# KiCad board design.kicad_pcb (continued)
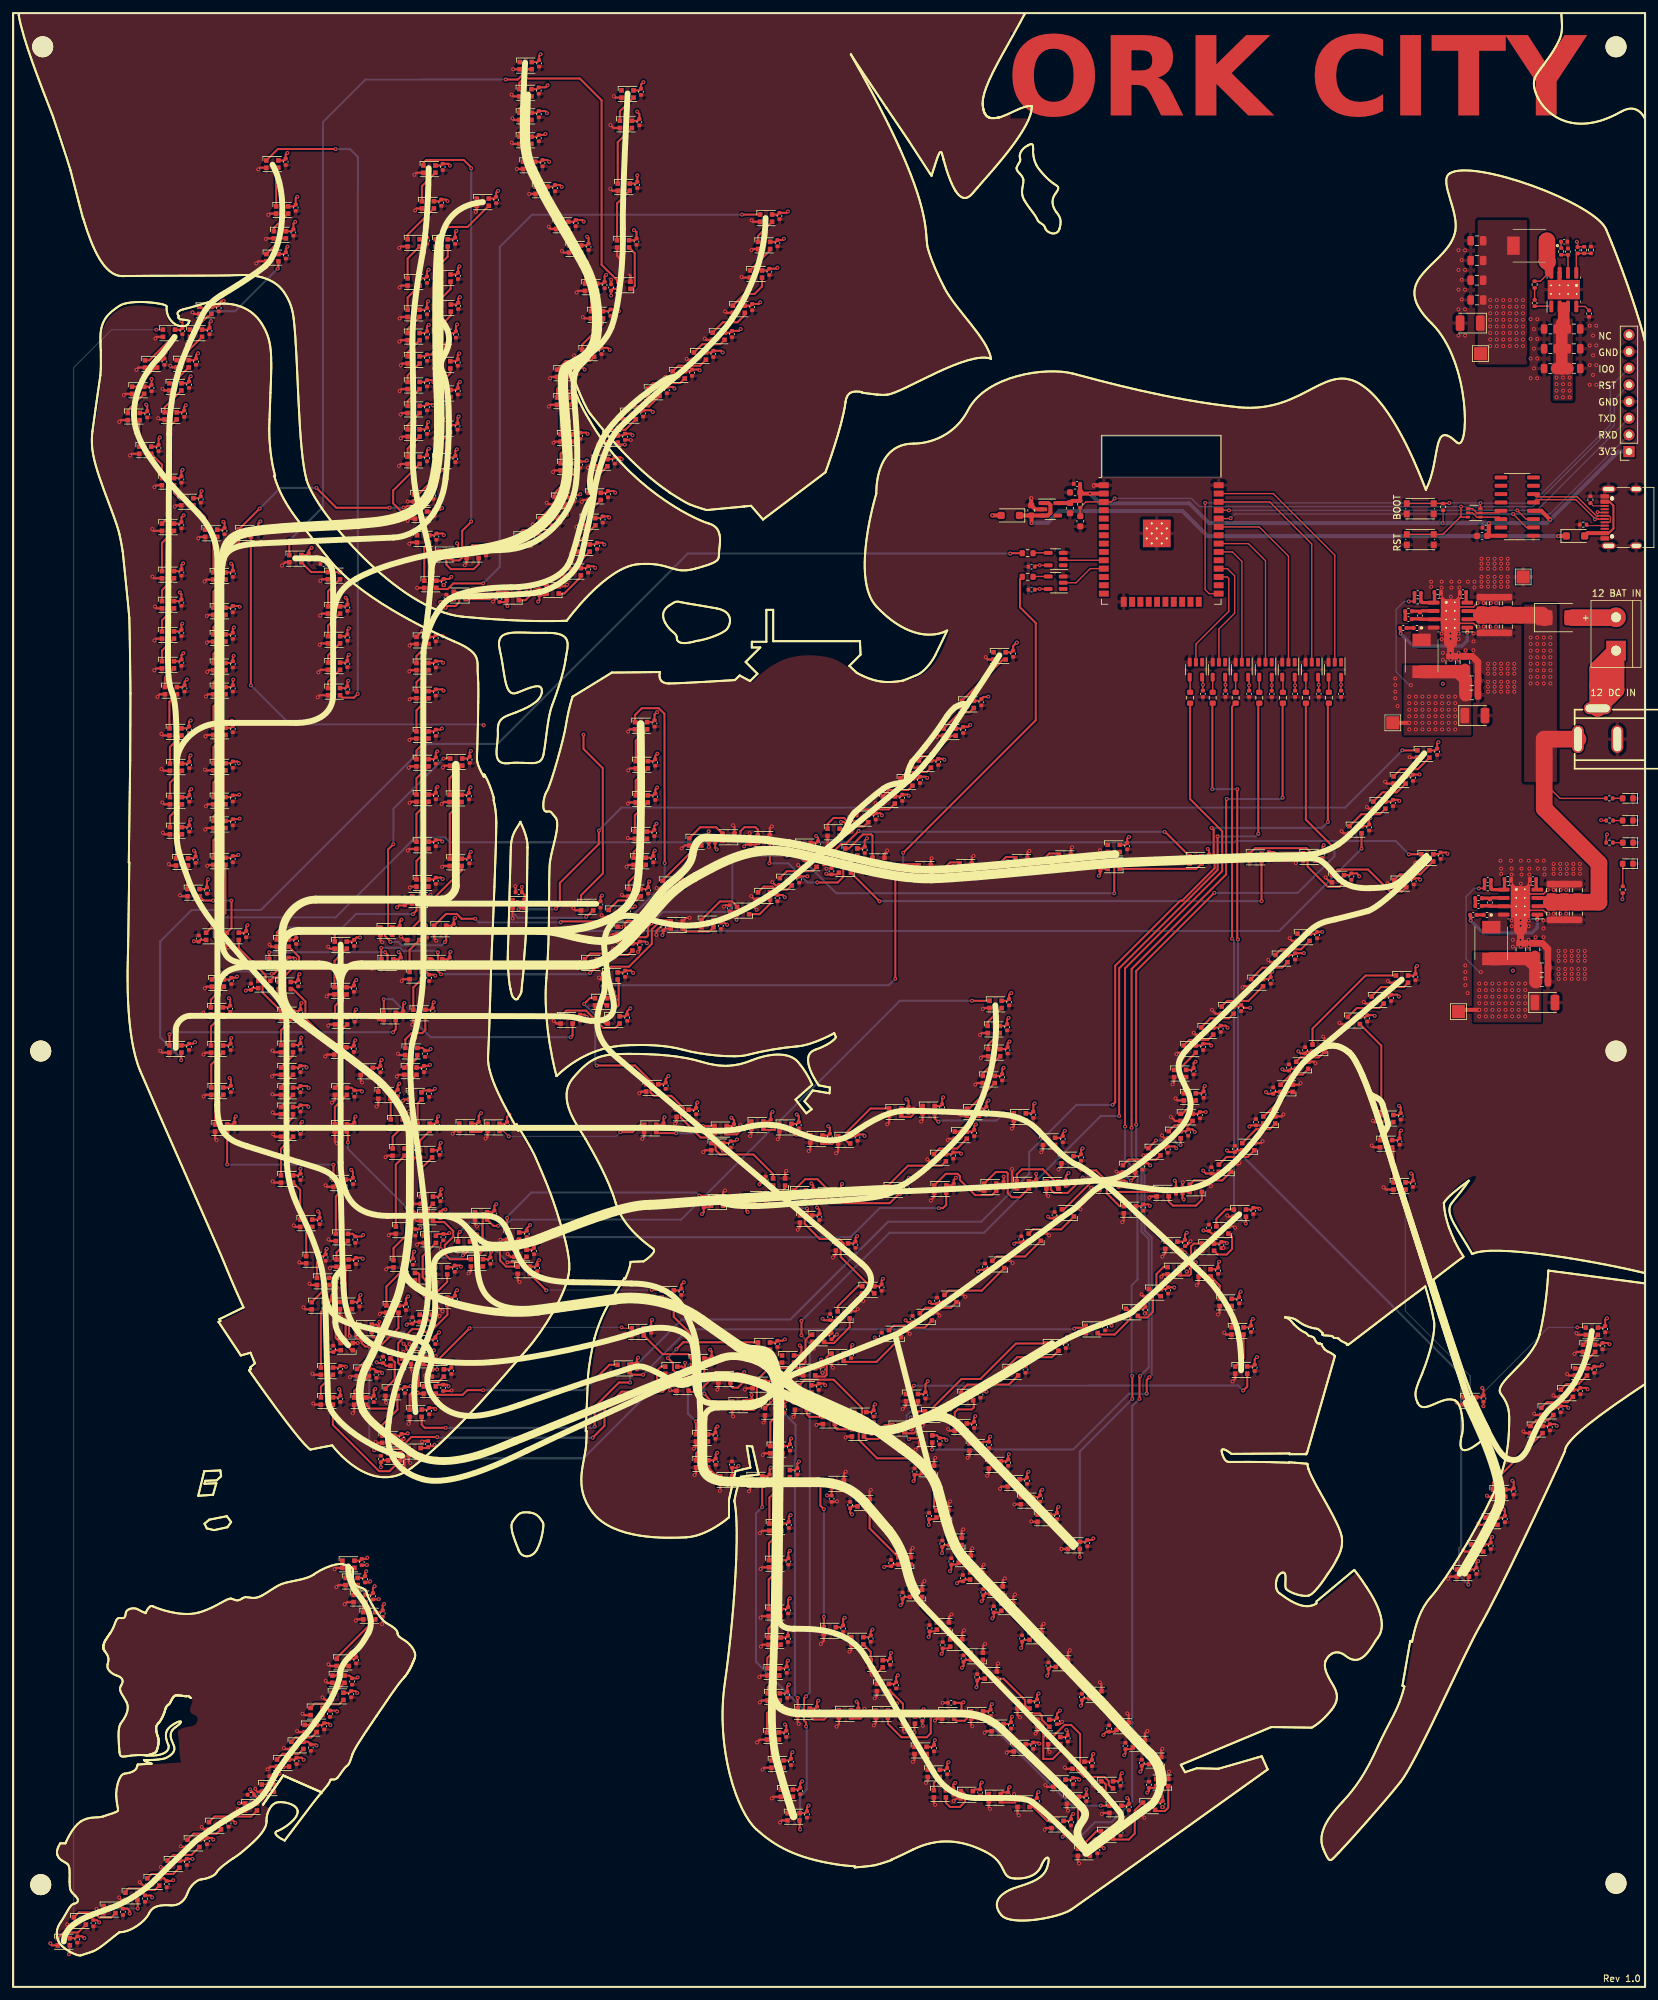
[diagram p0: board, top side]
## Nets (continued)
Net-(D327-DIN): D327.3 D328.1
Net-(D328-DIN): D328.3 D329.1
Net-(D329-DIN): D329.3 D330.1
Net-(D330-DIN): D330.3 D331.1
Net-(D331-DIN): D331.3 D332.1
Net-(D332-DIN): D332.3 D333.1
Net-(D333-DIN): D333.3 D334.1
Net-(D334-DIN): D334.3 D335.1
Net-(D335-DIN): D335.3 D336.1
Net-(D336-DIN): D336.3 D337.1
Net-(D337-DIN): D337.3 D338.1
Net-(D338-DIN): D338.3 D339.1
Net-(D339-DIN): D339.3 D340.1
Net-(D340-DIN): D340.3 D341.1
Net-(D341-DIN): D341.3 D342.1
Net-(D342-DIN): D342.3 D343.1
Net-(D344-DIN): D344.3 R26.2
Net-(D344-DOUT): D344.1 D345.3
Net-(D345-DOUT): D345.1 D346.3
Net-(D346-DOUT): D346.1 D347.3
Net-(D347-DOUT): D347.1 D348.3
Net-(D348-DOUT): D348.1 D349.3
Net-(D349-DOUT): D349.1 D350.3
Net-(D350-DOUT): D350.1 D351.3
Net-(D351-DOUT): D351.1 D352.3
Net-(D352-DOUT): D352.1 D353.3
Net-(D353-DOUT): D353.1 D354.3
Net-(D354-DOUT): D354.1 D355.3
Net-(D355-DOUT): D355.1 D356.3
Net-(D356-DOUT): D356.1 D357.3
Net-(D357-DOUT): D357.1 D358.3
Net-(D358-DOUT): D358.1 D359.3
Net-(D359-DOUT): D359.1 D360.3
Net-(D360-DOUT): D360.1 D361.3
Net-(D361-DOUT): D361.1 D362.3
Net-(D362-DOUT): D362.1 D363.3
Net-(D363-DOUT): D363.1 D364.3
Net-(D364-DOUT): D364.1 D365.3
Net-(D365-DOUT): D365.1 D366.3
Net-(D366-DOUT): D366.1 D367.3
Net-(D367-DOUT): D367.1 D368.3
Net-(D368-DOUT): D368.1 D369.3
Net-(D369-DOUT): D369.1 D370.3
Net-(D370-DOUT): D370.1 D371.3
Net-(D371-DOUT): D371.1 D372.3
Net-(D372-DOUT): D372.1 D373.3
Net-(D373-DOUT): D373.1 D374.3
Net-(D374-DOUT): D374.1 D375.3
Net-(D375-DOUT): D375.1 D376.3
Net-(D376-DOUT): D376.1 D377.3
Net-(D377-DOUT): D377.1 D378.3
Net-(D378-DOUT): D378.1 D379.3
Net-(D379-DOUT): D379.1 D380.3
Net-(D380-DOUT): D380.1 D381.3
Net-(D381-DOUT): D381.1 D382.3
Net-(D382-DOUT): D382.1 D383.3
Net-(D383-DOUT): D383.1 D384.3
Net-(D384-DOUT): D384.1 D385.3
Net-(D385-DOUT): D385.1 D386.3
Net-(D386-DOUT): D386.1 D387.3
Net-(D387-DOUT): D387.1 D388.3
Net-(D388-DOUT): D388.1 D389.3
Net-(D389-DOUT): D389.1 D390.3
Net-(D390-DOUT): D390.1 D391.3
Net-(D391-DOUT): D391.1 D392.3
Net-(D392-DOUT): D392.1 D393.3
Net-(D393-DOUT): D393.1 D394.3
Net-(D394-DOUT): D394.1 D395.3
Net-(D395-DOUT): D395.1 D396.3
Net-(D396-DOUT): D396.1 D413.3
Net-(D397-DIN): D397.3 D398.1
Net-(D398-DIN): D398.3 D399.1
Net-(D399-DIN): D399.3 D400.1
Net-(D400-DIN): D400.3 D401.1
Net-(D401-DIN): D401.3 D402.1
Net-(D402-DIN): D402.3 D403.1
Net-(D403-DIN): D403.3 D404.1
Net-(D404-DIN): D404.3 D405.1
Net-(D405-DIN): D405.3 D406.1
Net-(D406-DIN): D406.3 D407.1
Net-(D407-DIN): D407.3 D408.1
Net-(D408-DIN): D408.3 D409.1
Net-(D409-DIN): D409.3 D410.1
Net-(D410-DIN): D410.3 D411.1
Net-(D411-DIN): D411.3 D412.1
Net-(D412-DIN): D412.3 D413.1
Net-(D414-DIN): D414.3 R27.2
Net-(D414-DOUT): D414.1 D415.3
Net-(D415-DOUT): D415.1 D416.3
Net-(D416-DOUT): D416.1 D417.3
Net-(D417-DOUT): D417.1 D418.3
Net-(D418-DOUT): D418.1 D419.3
Net-(D419-DOUT): D419.1 D420.3
Net-(D420-DOUT): D420.1 D421.3
Net-(D421-DOUT): D421.1 D422.3
Net-(D422-DOUT): D422.1 D423.3
Net-(D423-DOUT): D423.1 D424.3
Net-(D424-DOUT): D424.1 D425.3
Net-(D425-DOUT): D425.1 D426.3
Net-(D426-DOUT): D426.1 D427.3
Net-(D427-DOUT): D427.1 D428.3
Net-(D428-DOUT): D428.1 D429.3
Net-(D429-DOUT): D429.1 D430.3
Net-(D430-DOUT): D430.1 D431.3
Net-(D431-DOUT): D431.1 D432.3
Net-(D433-DIN): D433.3 R28.2
Net-(D433-DOUT): D433.1 D434.3
Net-(D434-DOUT): D434.1 D435.3
Net-(D435-DOUT): D435.1 D436.3
Net-(D436-DOUT): D436.1 D437.3
Net-(D437-DOUT): D437.1 D438.3
Net-(D438-DOUT): D438.1 D439.3
Net-(D439-DOUT): D439.1 D440.3
Net-(D440-DOUT): D440.1 D441.3
Net-(D441-DOUT): D441.1 D442.3
Net-(D442-DOUT): D442.1 D443.3
Net-(D444-DIN): D444.3 R29.2
Net-(D444-DOUT): D444.1 D445.3
Net-(D445-DOUT): D445.1 D446.3
Net-(D446-DOUT): D446.1 D447.3
Net-(D447-DOUT): D447.1 D448.3
Net-(D448-DOUT): D448.1 D449.3
Net-(D449-DOUT): D449.1 D450.3
Net-(D450-DOUT): D450.1 D451.3
Net-(D451-DOUT): D451.1 D452.3
Net-(D452-DOUT): D452.1 D453.3
Net-(D453-DOUT): D453.1 D454.3
Net-(D454-DOUT): D454.1 D455.3
Net-(D455-DOUT): D455.1 D456.3
Net-(D456-DOUT): D456.1 D457.3
Net-(D457-DOUT): D457.1 D458.3
Net-(D458-DOUT): D458.1 D459.3
Net-(D459-DOUT): D459.1 D460.3
Net-(D460-DOUT): D460.1 D461.3
Net-(D461-DOUT): D461.1 D462.3
Net-(D462-DOUT): D462.1 D463.3
Net-(D463-DOUT): D463.1 D464.3
Net-(D465-DIN): D465.3 R30.2
Net-(D465-DOUT): D465.1 D466.3
Net-(D466-DOUT): D466.1 D467.3
Net-(D467-DOUT): D467.1 D468.3
Net-(D468-DOUT): D468.1 D469.3
Net-(D469-DOUT): D469.1 D470.3
Net-(D470-DOUT): D470.1 D471.3
Net-(D471-DOUT): D471.1 D472.3
Net-(D472-DOUT): D472.1 D473.3
Net-(D473-DOUT): D473.1 D474.3
Net-(D474-DOUT): D474.1 D475.3
Net-(D475-DOUT): D475.1 D476.3
Net-(D476-DOUT): D476.1 D477.3
Net-(D477-DOUT): D477.1 D478.3
Net-(D478-DOUT): D478.1 D479.3
Net-(D479-DOUT): D479.1 D480.3
Net-(D480-DOUT): D480.1 D481.3
Net-(D481-DOUT): D481.1 D482.3
Net-(D482-DOUT): D482.1 D483.3
Net-(D483-DOUT): D483.1 D484.3
Net-(D484-DOUT): D484.1 D485.3
Net-(D485-DOUT): D485.1 D486.3
Net-(J2-CC1): J2.A5 R1.1
Net-(J2-CC2): J2.B5 R2.1
Net-(J3-Pin_1): J3.1 J4.3
Net-(Q1A-B1): Q1.2 Q1.4 U1.13
Net-(Q1A-E1): Q1.1 Q1.5 U1.14
Net-(U4-BST): C13.2 U4.1
Net-(U4-COMP): C22.1 R10.1 U4.6
Net-(U4-FB): C14.2 R8.2 R11.1 U4.5
Net-(U4-SS): C21.1 U4.4
Net-(U5-BST): C29.2 U5.1
Net-(U5-COMP): C38.1 R15.1 U5.6
Net-(U5-FB): C30.2 R13.2 R16.1 U5.5
Net-(U5-SS): C37.1 U5.4
Net-(U6-BST): C45.2 U6.1
Net-(U6-COMP): C54.1 R20.1 U6.6
Net-(U6-FB): C46.2 R18.2 R21.1 U6.5
Net-(U6-SS): C53.1 U6.4
Net-(U7-Y): R22.1 U7.4
Net-(U8-Y): R23.1 U8.4
Net-(U9-Y): R24.1 U9.4
Net-(U10-Y): R25.1 U10.4
Net-(U11-Y): R26.1 U11.4
Net-(U12-Y): R27.1 U12.4
Net-(U13-Y): R28.1 U13.4
Net-(U14-Y): R29.1 U14.4
Net-(U15-Y): R30.1 U15.4

Pads without a net: D68 1; D168 1; D262 1; D323 1; D397 1; D432 1; D443 1; D464 1; D486 1; J1 8; J2 A8 B8; U1 7 8 9 10 11 12 15; U2 4 5 17 18 19 20 21 22 23 24 32; U3 4; U7 1; U8 1; U9 1; U10 1; U11 1; U12 1; U13 1; U14 1; U15 1

## Via types
v1: diameter 0.6, hole 0.3, Top to Bottom, 1673 vias

## Routing (per net, layer and track width the routed paths; a pad name or vN(x,y) marks a point on that pad's centre or on a via; arc(x,y) is an arc through that point)
+3.3V: length 170.2
  Top w0.152: v1(217.8,223) 217.85,223.05 R3.1
  Top w0.203: R5.2 242.7,175.43 v1(242.83,175.56)
  Top w0.61: C4.1 162.57,226.39 R4.1 161.34,226.38 C7.1 159.16,226.06 U3.5 ; C4.1 162.55,227.7 C3.1 ; C4.1 162.75,227.5 v1(164.05,227.5) U2.2 ; v1(224.84,223) 224.82,222.97 224.82,221.3 C1.1 224.59,221.07 U1.16 ; U1.4 232.8,224.88 v1(234.17,223.51)
  In2.Cu w0.203: v1(242.83,175.56) 242.83,181.85 247.25,186.27 247.25,215.02 245.35,216.92 245.35,233.07 J1.1
  Bottom w0.61: J1.1 244.56,233.9 v1(234.17,223.51) 233.66,223 v1(224.84,223) v1(217.8,223) 182.21,223 179.2,226 165.55,226 v1(164.05,227.5)
+5V: length 1258.8
  Top w0.152: v1(40.6,32.47) 40.2,32.07 C228.1 39.72,31.81 D179.4
  Top w0.203: R13.1 223.31,167.36 v1(223.3,167.35) ; R9.1 241.99,177.69 v1(241.93,177.75) ; R14.1 245.22,165.75 v1(245.17,165.7) ; v1(238.23,265.87) 238.35,265.75 C46.1 238.41,265.11 R18.1 ; C395.1 195.3,199.49 U11.5 ; U7.5 181.26,199.43 C115.1 ; C312.1 188.3,199.39 U9.5 ; U8.5 184.7,199.49 C154.1 ; C485.1 155.85,216.57 U12.5 ; C373.1 U10.5 ; U13.5 155.75,212.97 C497.1 ; C519.1 198.9,199.44 U14.5 ; v1(212.63,211.07) 212.64,211.08 R8.1 ; C542.1 U15.5
  Top w0.305: D460.4 115.15,131.84 C514.1 115.42,133.06 115.67,133.31 v1(115.69,133.31) 115.69,133.33 115.62,133.26 ; D11.4 156.2,74.62 C58.1 156.47,75.55 156.66,75.74 v1(156.79,75.74) ; 122.76,89.4 122.85,89.49 v1(122.85,89.46) 122.82,89.46 122.65,89.29 C70.1 121.79,89.02 D23.4 ; 48.28,39.97 48.37,39.88 v1(48.33,39.88) 48.33,39.92 48.07,40.18 C225.1 47.12,39.91 D176.4 ; v1(117.57,166) 117.22,166.35 C474.1 115.72,166.35 D422.4 ; 211.1,180.76 211.2,180.66 v1(211.2,180.67) 211.19,180.67 211.01,180.85 C464.1 209.95,180.58 D412.4 ; 104.19,134.73 v1(104.25,134.73) 104.25,134.79 104.19,134.73 ; 104.19,134.73 104.05,134.59 C488.1 103.78,133.64 D435.4 ; D343.4 58.63,161.39 C394.1 58.9,162.33 59.16,162.59 v1(59.17,162.59) 59.17,162.6 59.07,162.5 ; 156.25,37.16 156.36,37.05 v1(156.34,37.05) 156.34,37.07 156.17,37.24 C347.1 155.13,36.97 D297.4 ; v1(223.2,64.87) 222.93,64.6 C155.1 222.66,63.61 D106.4 ; 121.16,27.6 121.2,27.64 v1(121.2,27.62) 121.18,27.62 120.94,27.38 C313.1 120.67,26.47 D263.4 ; D122.4 213.38,154.08 C171.1 213.65,155.34 213.85,155.54 v1(213.88,155.54) 213.88,155.57 213.8,155.49 ; D272.4 117.91,70.59 C322.1 118.18,71.63 118.43,71.88 v1(118.46,71.88) 118.46,71.91 118.34,71.79 ; D295.4 163.24,28.98 C345.1 v1(163.51,30.09) ; 52.16,51.15 52.07,51.24 v1(52.07,51.21) 52.1,51.21 52.27,51.04 C221.1 52,49.98 D172.4 ; v1(125.35,100.84) 124.69,100.11 C495.1 124.41,99.36 D442.4 ; 144.61,48.7 144.53,48.62 v1(144.56,48.62) 144.56,48.65 144.8,48.89 C414.1 145.07,49.81 D362.4 ; 64.24,88.11 64.33,88.02 v1(64.32,88.02) 64.32,88.03 64.14,88.21 C520.1 63.1,87.94 D465.4 ; 43.85,149.86 43.93,149.94 v1(43.93,149.88) 43.87,149.88 43.77,149.78 C281.1 43.5,148.66 D232.4 ; 67.25,162.82 67.34,162.91 v1(67.34,162.86) 67.29,162.86 67.12,162.7 C393.1 66.85,161.67 D342.4 ; D120.4 206.03,147.77 C169.1 207.29,148.04 207.39,147.94 v1(207.45,147.94) 207.45,147.88 207.38,147.95 ; 43.58,154.22 43.65,154.29 v1(43.63,154.29) 43.63,154.27 43.44,154.08 C367.1 43.16,153.11 D317.4 ; D415.4 59.14,148.4 C467.1 59.41,149.68 59.6,149.86 v1(59.6,149.9) 59.64,149.9 59.53,149.79 ; D279.4 140.4,71.25 C329.1 ; 84.32,224.18 84.38,224.24 v1(84.37,224.24) 84.37,224.23 84.12,223.98 C136.1 82.95,223.71 D88.4 ; 63.46,142.72 63.61,142.87 v1(63.6,142.87) 63.6,142.86 63.39,142.65 C85.1 62.33,143.06 D38.4 ; 139.76,104.22 139.64,104.34 v1(139.64,104.33) 139.65,104.33 139.93,104.05 C184.1 141.03,104.32 D135.4 ; D443.4 119.84,96.2 C496.1 ; D185.4 19.68,14.34 C234.1 20.96,13.93 21.19,13.7 v1(21.19,13.63) 21.26,13.63 21.14,13.75 ; 134.57,43.12 134.65,43.2 v1(134.65,43.19) 134.64,43.19 134.4,42.95 C351.1 134.13,42.1 D301.4 ; D408.4 89.21,165.11 C460.1 89.48,166.09 89.65,166.26 v1(89.73,166.26) 89.73,166.34 89.66,166.27 ; 32.96,150.56 32.88,150.64 v1(32.88,150.63) 32.89,150.63 33.07,150.45 C201.1 32.8,149.23 D152.4 ; D454.4 155.16,133.08 C508.1 155.43,134.46 155.57,134.6 ; D423.4 119.49,168.92 C475.1 v1(121.02,169.19) ; 35.62,161.68 35.71,161.77 v1(35.71,161.75) 35.69,161.75 35.51,161.57 C283.1 35.24,160.6 D234.4 ; D302.4 128.5,42.15 C352.1 128.77,43.25 128.56,43.46 v1(128.49,43.46) 128.49,43.53 128.6,43.42 ; D264.4 119.64,30.06 C314.1 119.91,31.01 v1(120.21,31.31) ; 142.8,63.41 142.73,63.34 v1(142.73,63.35) 142.74,63.35 142.94,63.55 C331.1 143.79,64.34 D281.4 ; D419.4 99.33,161.22 C471.1 99.05,160.46 98.92,160.32 v1(98.92,160.24) 98.84,160.24 98.95,160.35 ; D25.4 110.12,93.14 C72.1 111.16,93.41 111.39,93.64 v1(111.39,93.66) 111.41,93.66 111.31,93.56 ; v1(140.43,37.59) 140.3,37.46 C402.1 140.03,36.57 D350.4 ; 52.89,105.4 52.92,105.43 v1(52.92,105.42) 52.91,105.42 52.75,105.26 C193.1 52.48,104.35 D144.4 ; 54.96,60.87 v1(55.08,61.04) 54.82,60.73 C219.1 54.55,59.72 D170.4 ; 141.82,187.03 141.9,186.95 v1(141.88,186.95) 141.88,186.97 141.74,187.11 C481.1 140.68,186.84 D429.4 ; 239.83,91.11 239.89,91.05 v1(239.87,91.05) 239.87,91.07 239.68,91.26 C161.1 238.49,90.99 D112.4 ; v1(98.15,187.88) 98.15,187.87 97.82,187.54 C387.1 97.55,186.74 D336.4 ; D58.4 92.95,236.37 C105.1 94.12,236.64 v1(94.37,236.39) ; D371.4 109.57,79.03 C423.1 110.22,79.09 v1(110.5,79.37) ; 65.27,174.57 65.39,174.45 v1(65.39,174.5) 65.34,174.5 65.1,174.74 C90.1 64.12,174.47 D43.4 ; D389.4 73.05,118.01 C441.1 73.32,119.01 73.55,119.24 v1(73.61,119.24) 73.61,119.3 73.52,119.21 ; D353.4 133.35,49.77 C405.1 133.62,50.74 133.75,50.86 v1(133.75,50.87) 133.76,50.87 133.69,50.8 ; D46.4 64.12,191.28 C93.1 65.11,191.55 65.29,191.73 v1(65.33,191.73) 65.33,191.77 65.19,191.63 ; D462.4 98.83,131.34 C516.1 99.09,132.39 99.21,132.5 v1(99.25,132.5) 99.25,132.54 99.19,132.48 ; D70.4 94.82,274.74 C118.1 v1(95.09,275.99) ; 10.76,7.5 10.85,7.41 v1(10.85,7.43) 10.83,7.43 10.56,7.7 C237.1 9.51,7.43 D188.4 ; D431.4 147.24,195.93 C483.1 147.83,196.52 148.37,196.52 v1(148.58,196.57) 148.47,196.52 148.42,196.52 ; 64.15,154.15 v1(64.32,154.05) 64.09,154.21 C87.1 62.96,154.62 D40.4 ; 228.45,77.05 228.38,77.12 v1(228.41,77.12) 228.41,77.09 228.61,76.89 228.61,75.97 ; D339.4 97.26,172.03 C390.1 97.53,172.83 97.75,173.05 v1(97.75,173.11) 97.81,173.11 97.71,173.01 ; D113.4 240.63,94.24 C162.1 241.81,94.51 v1(242.09,94.79) ; 243.11,97.94 243.22,97.83 v1(243.22,97.91) 243.14,97.91 242.95,98.1 C163.1 241.87,97.83 D114.4 ; D484.4 191.32,153.54 C539.1 191.59,154.44 191.83,154.68 v1(191.85,154.68) 191.85,154.7 191.75,154.6 ; 227.32,75.77 228.41,75.77 C158.1 ; v1(181.69,133.28) C533.1 180.54,133.02 D478.4 ; D34.4 64.71,127.45 C81.1 64.98,128.4 65.15,128.57 v1(65.15,128.59) 65.17,128.59 65.09,128.51 ; D321.4 69.18,181.61 C371.1 69.45,182.5 69.68,182.73 v1(69.68,182.75) 69.7,182.75 69.63,182.68 ; v1(44.28,34.58) 44.28,34.61 43.97,34.92 C227.1 42.91,34.65 D178.4 ; D384.4 148,133.81 C436.1 148.28,134.76 148.56,135.04 v1(148.59,135.04) ; D69.4 95.14,284.3 C117.1 95.41,285.32 v1(95.07,285.7) ; 56.07,141.13 56.16,141.22 v1(56.13,141.22) 56.13,141.19 55.94,141 C365.1 55.66,140.03 D315.4 ; D240.4 26.52,191.75 C289.1 26.79,192.75 26.98,192.94 v1(27.06,192.94) 27.06,193.02 26.96,192.92 ; 50.65,94.56 50.73,94.48 v1(50.7,94.48) 50.7,94.51 50.59,94.62 C270.1 49.58,94.35 D221.4 ; 41.73,279.37 41.79,279.43 v1(41.79,279.4) 41.76,279.4 41.52,279.16 C304.1 41.25,278.25 D255.4 ; D299.4 148.64,41.98 C349.1 148.91,42.87 149.12,43.08 v1(149.13,43.08) 149.13,43.09 149.05,43.01 ; 25.72,207.62 25.79,207.69 v1(25.77,207.69) 25.77,207.67 25.64,207.54 C292.1 25.39,206.51 D243.4 ; D211.4 178.57,109.65 C260.1 178.84,110.78 178.61,111.01 v1(178.61,111.11) 178.51,111.11 178.63,110.99 ; v1(110.85,252.57) 110.83,252.57 110.55,252.29 C110.1 109.24,252.02 D63.4 ; v1(96.03,290.18) 96.02,290.18 95.66,289.81 C116.1 95.38,288.93 D68.4 ; v1(189.5,95.95) 189.49,95.95 189.15,95.61 C500.1 188.88,94.52 D446.4 ; C232.1 26.19,19.25 D183.4 ; 67.99,257.39 68.07,257.47 v1(68.07,257.44) 68.04,257.44 67.82,257.22 C452.1 67.55,256.31 D400.4 ; D258.4 50.66,205.78 C307.1 50.93,206.75 51.14,206.96 v1(51.16,206.96) 51.16,206.98 51.07,206.89 ; D325.4 151.82,170.8 C376.1 151.56,169.81 151.37,169.62 v1(151.34,169.62) 151.34,169.59 151.44,169.69 ; v1(130.08,174.98) 129.74,174.64 C380.1 129.47,173.44 D329.4 ; D50.4 66.86,211.15 C97.1 65.22,211.15 65.06,210.99 v1(65.06,210.96) 65.03,210.96 65.14,211.07 ; D344.4 160.89,25.29 C396.1 161.16,26.02 161.49,26.35 v1(161.5,26.35) ; v1(78.76,116.07) 78.76,116.06 78.25,115.55 C428.1 77.98,114.94 D376.4 ; D249.4 27.6,247.83 C298.1 27.87,248.61 28.14,248.88 v1(28.16,248.88) 28.16,248.9 28.06,248.8 ; D145.4 49.05,96.99 C194.1 48.08,96.72 47.83,96.97 v1(47.83,96.99) 47.81,96.99 47.85,96.95 ; D466.4 64.05,98.63 C521.1 64.33,99.12 64.89,99.69 v1(64.89,99.71) ; 107.14,173.35 107.2,173.29 v1(107.19,173.29) 107.19,173.3 106.95,173.54 C382.1 107.22,174.59 D331.4 ; 162.88,127.66 162.95,127.73 v1(162.93,127.73) 162.93,127.71 162.7,127.48 C506.1 162.43,126.57 D452.4 ; D184.4 22.99,16.54 C233.1 24.24,16.13 24.37,16.26 v1(24.39,16.26) 24.39,16.28 24.33,16.22 ; D15.4 146.14,85.84 C62.1 146.41,86.75 146.59,86.93 v1(146.59,86.96) 146.62,86.96 146.54,86.88 ; v1(110.2,162.57) 110.29,162.67 D421.4 109.88,163.83 C473.1 ; D291.4 173.89,30.31 C341.1 173.03,29.85 v1(172.77,29.58) ; D73.4 79.81,289.12 C121.1 81.13,289.39 81.42,289.68 v1(81.42,289.7) 81.44,289.7 81.4,289.66 ; D202.4 33.2,191.83 C251.1 33.47,192.82 33.37,192.92 v1(33.31,192.92) ; D227.4 43.5,130.63 C276.1 43.77,131.6 43.95,131.78 ; v1(33.54,199.16) 33.52,199.16 33.47,199.11 C250.1 33.2,198.03 D201.4 ; D407.4 37.08,222.04 C459.1 37.35,222.94 v1(37.68,223.27) ; 56.03,79.22 56.02,79.23 C268.1 56.3,80.21 D219.4 ; 56.03,79.22 v1(56.03,79.17) 56.08,79.17 56.03,79.22 ; 115.67,93.3 v1(115.81,93.46) 115.6,93.23 C71.1 115.33,92.3 D24.4 ; 60.39,133.34 60.32,133.41 v1(60.32,133.38) 60.35,133.38 60.49,133.24 C363.1 60.22,132.16 D313.4 ; D223.4 48.97,108.03 C272.1 49.88,108.3 50.04,108.14 v1(50.04,108.03) 50.15,108.03 50.03,108.15 ; D449.4 183.31,109.33 C503.1 183.58,110.3 183.73,110.45 v1(183.73,110.47) 183.75,110.47 183.66,110.38 ; D229.4 43.5,136.99 C278.1 44.77,137.26 45.02,137.01 v1(45.02,136.94) 45.09,136.94 44.98,137.05 ; D205.4 33.2,177.64 C254.1 34.37,177.91 34.44,177.98 v1(34.51,177.98) 34.51,178.05 34.46,178 ; D427.4 135.19,181.37 C479.1 136.29,181.64 136.45,181.48 v1(136.45,181.47) 136.46,181.47 136.38,181.55 ; 118.09,45.95 118.2,46.06 v1(118.2,46.05) 118.19,46.05 117.94,45.8 C317.1 117.67,44.73 D267.4 ; 129.94,169.79 130.03,169.7 v1(130.03,169.73) 130,169.73 129.79,169.94 C379.1 130.65,170.65 D328.4 ; 111.36,173.77 111.64,174.05 C381.1 113.19,174.05 D330.4 ; 111.36,173.77 v1(111.36,173.76) 111.35,173.76 111.36,173.77 ; D96.4 62.78,255.51 C144.1 63.05,256.64 63.2,256.79 v1(63.24,256.79) 63.24,256.83 63.15,256.74 ; 33.55,202.78 v1(33.61,202.78) 33.61,202.84 33.55,202.78 ; 33.55,202.78 33.47,202.7 C249.1 33.2,201.7 D200.4 ; 169.95,175.17 170.01,175.23 v1(170.01,175.19) 169.97,175.19 169.73,174.95 C374.1 169.46,174 D323.4 ; D361.4 142.49,51.57 C413.1 141.62,50.94 141.45,50.78 v1(141.45,50.74) 141.41,50.74 141.46,50.79 ; D262.4 79.87,293.25 C311.1 80.14,294.2 80.37,294.43 80.38,294.43 v1(80.38,294.44) 80.32,294.38 ; D354.4 130.38,53.28 C406.1 130.66,54.16 130.93,54.43 v1(130.93,54.44) 130.94,54.44 130.84,54.34 ; D287.4 163.1,43.96 C337.1 162.83,43.04 162.66,42.87 v1(162.66,42.84) 162.63,42.84 162.7,42.91 ; D424.4 123.26,171.73 C476.1 124.24,172 124.4,171.84 v1(124.4,171.79) 124.45,171.79 124.32,171.92 ; D437.4 115.06,122.07 C490.1 113.83,122.48 113.7,122.35 v1(113.7,122.27) 113.62,122.27 113.74,122.39 ; D31.4 60.4,107.67 60.1,107.37 59.47,107.37 59.45,107.35 v1(59.45,107.28) ; D140.4 111.66,89.44 C189.1 v1(112.5,90.19) ; v1(102.18,107.35) 102.14,107.35 101.8,107.01 C426.1 101.53,106.11 D374.4 ; 153.61,51.63 153.55,51.57 v1(153.55,51.64) 153.62,51.64 153.72,51.74 C335.1 153.99,52.86 D285.4 ; v1(29.71,168.72) 29.52,168.53 C284.1 29.25,167.25 D235.4 ; 162.33,31.69 162.45,31.57 v1(162.4,31.57) 162.4,31.62 162.18,31.84 C346.1 161.19,31.57 D296.4 ; 177.18,127.86 177.28,127.76 v1(177.2,127.76) 177.2,127.84 176.99,128.05 C531.1 175.64,127.78 D476.4 ; 55.1,91.11 55.17,91.18 v1(55.17,91.09) 55.08,91.09 54.93,90.94 C357.1 54.66,89.79 D307.4 ; D10.4 158.76,71.95 C57.1 159.03,72.9 v1(159.26,73.13) ; D167.4 217.21,172.55 C216.1 218.34,172.82 218.52,172.64 v1(218.54,172.64) 218.54,172.62 218.44,172.72 ; 90.27,260.78 90.35,260.86 v1(90.35,260.82) 90.31,260.82 90.11,260.62 C128.1 89.84,259.49 D80.4 ; 72.85,218.93 72.91,218.87 v1(72.91,218.89) 72.89,218.89 72.74,219.04 C138.1 71.77,218.77 D90.4 ; 90.87,156.73 90.96,156.64 v1(90.9,156.64) 90.9,156.7 90.77,156.83 C206.1 89.78,156.56 D157.4 ; D65.4 114.94,261.5 C112.1 116.28,261.77 116.43,261.92 ; D93.4 64.95,272.04 C141.1 65.94,272.31 66.18,272.07 v1(66.18,272.06) 66.19,272.06 66.1,272.15 ; D414.4 26.52,143.44 C466.1 27.44,143.71 27.66,143.93 v1(27.71,143.93) 27.71,143.98 27.64,143.91 ; 30.48,22.51 30.56,22.43 v1(30.49,22.43) 30.49,22.5 30.3,22.69 C231.1 29.24,22.41 D182.4 ; 96.5,159.05 96.55,159 v1(96.55,159.01) 96.54,159.01 96.29,159.26 C207.1 95.19,158.99 D158.4 ; 144.48,43.11 144.48,42.24 144.21,41.97 D300.4 ; 144.48,43.11 144.32,43.27 C350.1 ; 144.48,43.11 144.73,43.36 v1(144.77,43.36) 144.77,43.4 144.66,43.29 ; 66.47,277.55 66.55,277.47 v1(66.54,277.47) 66.54,277.48 66.27,277.75 C140.1 65.18,277.48 D92.4 ; 217.1,189.58 217.15,189.63 v1(217.14,189.63) 217.14,189.62 216.94,189.42 C462.1 216.67,188.38 D410.4 ; D61.4 103.16,246.13 C108.1 104.38,246.4 104.49,246.29 v1(104.61,246.29) 104.61,246.17 104.47,246.31 ; 206.67,177.94 206.78,178.05 v1(206.77,178.05) 206.77,178.04 206.59,177.86 C465.1 206.32,176.85 D413.4 ; 63.98,149.87 64.11,150 v1(64.1,150) 64.1,149.99 63.91,149.8 C86.1 63.64,148.87 D39.4 ; 169.35,35.41 169.24,35.3 v1(169.27,35.3) 169.27,35.33 169.46,35.52 C339.1 170.32,36.22 D289.4 ; 127.75,72.01 127.82,71.94 v1(127.82,71.98) 127.78,71.98 127.53,72.24 C409.1 127.79,73.2 D357.4 ; D117.4 212.98,122.57 C166.1 213.25,123.77 v1(212.98,123.92) 213.15,123.87 ; 136.78,168.76 136.85,168.84 C378.1 137.71,169.49 D327.4 ; 136.78,168.76 v1(136.78,168.71) 136.73,168.71 136.78,168.76 ; v1(148.86,83.82) 148.66,83.62 C61.1 147.8,83.05 D14.4 ; D173.4 51.23,47.42 C222.1 52.37,47.01 52.49,47.13 v1(52.49,47.16) 52.52,47.16 52.47,47.11 ; D154.4 41.7,156.56 C203.1 42.76,156.83 42.97,156.62 v1(42.97,156.6) 42.99,156.6 42.91,156.68 ; 94.66,164.54 94.74,164.62 v1(94.74,164.6) 94.72,164.6 94.47,164.35 C392.1 93.41,164.08 D341.4 ; 95.78,161.65 95.88,161.55 v1(95.88,161.57) 95.86,161.57 95.65,161.78 C385.1 94.78,161.51 D334.4 ; D401.4 67.19,251.95 C453.1 67.46,253.07 67.64,253.25 v1(67.64,253.27) 67.66,253.27 67.6,253.21 ; D12.4 154.19,77.32 C59.1 154.46,78.24 154.69,78.47 v1(154.69,78.48) 154.7,78.48 154.61,78.39 ; 116.43,261.92 116.44,261.93 v1(116.44,261.92) 116.43,261.92 ; v1(25.81,231.12) 25.63,230.94 25.63,230.14 ; 168.83,32.47 168.93,32.57 v1(168.93,32.56) 168.92,32.56 168.7,32.34 C420.1 168.43,31.34 D368.4 ; 190.88,136.31 v1(190.88,136.33) 190.86,136.33 190.88,136.31 ; 190.88,136.31 191.12,136.07 C174.1 192.25,136.34 D125.4 ; D139.4 123.06,94.26 C188.1 123.32,95.31 123.08,95.55 v1(123.08,95.57) 123.06,95.57 123.14,95.49 ; 157.81,117.23 157.66,117.38 v1(157.66,117.35) 157.69,117.35 157.95,117.09 C181.1 158.93,117.36 D132.4 ; v1(143.64,123.27) 143.3,122.93 C526.1 143.03,122.1 D471.4 ; 87.52,266.57 87.44,266.65 v1(87.44,266.63) 87.46,266.63 87.67,266.42 C127.1 87.4,265.32 D79.4 ; D30.4 61.1,101.31 C77.1 60.11,101.04 v1(59.96,100.89) ; D153.4 32.98,153.48 C202.1 33.92,153.75 34.1,153.93 v1(34.11,153.93) 34.11,153.94 34.05,153.88 ; 132.47,107.81 132.53,107.87 v1(132.52,107.87) 132.52,107.86 132.32,107.66 C493.1 132.05,106.75 D440.4 ; 155.87,123.72 155.73,123.86 v1(155.86,123.86) 155.86,123.73 155.88,123.72 C528.1 155.6,122.74 D473.4 ; 122.62,43.58 122.67,43.63 v1(122.67,43.6) 122.64,43.6 122.48,43.44 C353.1 122.21,42.41 D303.4 ; D193.4 21.89,234.66 C242.1 22.16,235.89 22.33,236.06 ; D409.4 77.92,166.36 C461.1 v1(77.5,167.57) ; 181.35,115.26 181.33,115.28 v1(181.33,115.23) 181.38,115.23 181.44,115.17 C258.1 182.6,114.76 D209.4 ; D175.4 47.86,42.5 C224.1 49.29,42.09 49.36,42.02 v1(49.36,41.95) 49.43,41.95 49.38,42 ; D282.4 144.96,62.05 C332.1 144.11,61.78 143.83,61.5 v1(143.8,61.5) 143.8,61.47 143.92,61.59 ; v1(13.11,9.83) 13.1,9.83 12.75,10.18 C236.1 11.82,10.59 D187.4 ; D217.4 66.49,94.07 C266.1 66.76,95 67,95.24 v1(67.02,95.24) 67.02,95.26 66.94,95.18 ; 63.13,238.28 63.25,238.4 v1(63.24,238.4) 63.24,238.39 63.05,238.2 C149.1 62.78,237.29 D101.4 ; 155.57,134.6 v1(155.63,134.6) 155.63,134.66 155.57,134.6 ; D199.4 33.2,206.05 C248.1 33.47,207.02 33.56,207.11 v1(33.64,207.11) 33.64,207.19 33.6,207.15 ; D111.4 235.5,88.22 C160.1 236.67,88.49 236.93,88.23 v1(236.93,88.21) ; 117.83,54.54 117.78,54.59 v1(117.78,54.57) 117.8,54.57 118.04,54.33 C319.1 117.77,53.23 D269.4 ; 22.33,236.06 22.35,236.08 v1(22.35,236.06) 22.33,236.06 ; v1(64.1,96.97) 63.58,96.45 C192.1 63.3,96 D143.4 ; 43.95,131.78 v1(44.04,131.78) 44.04,131.87 43.95,131.78 ; D320.4 69.22,171.87 C370.1 69.49,172.64 69.73,172.88 v1(69.73,172.92) 69.77,172.92 69.68,172.83 ; 62.88,161.69 62.81,161.76 v1(62.87,161.76) 62.87,161.7 63.01,161.56 C88.1 62.74,160.58 D41.4 ; 63.18,261.54 63.3,261.66 v1(63.3,261.61) 63.25,261.61 63.05,261.41 C143.1 62.78,260.3 D95.4 ; D222.4 48.18,104.32 C271.1 48.45,105.18 48.66,105.39 v1(48.66,105.4) 48.67,105.4 48.55,105.28 ; 90.76,223.92 90.83,223.85 v1(90.82,223.85) 90.82,223.86 90.64,224.04 C102.1 89.55,223.77 D55.4 ; D363.4 147.14,46.95 C415.1 146.88,45.76 146.76,45.65 v1(146.75,45.65) 146.75,45.64 146.79,45.68 ; 144.39,126.95 144.43,126.91 v1(144.43,126.94) 144.4,126.94 144.2,127.14 C434.1 142.96,126.87 D382.4 ; D127.4 186.41,127.45 C176.1 185.21,127.18 184.97,127.42 v1(184.93,127.42) 184.93,127.46 185,127.39 ; 102.04,169.58 102.11,169.65 v1(102.11,169.64) 102.1,169.64 101.9,169.44 C384.1 101.63,168.5 D333.4 ; D290.4 172.22,33.93 C340.1 171.95,33.02 171.73,32.8 v1(171.73,32.78) 171.71,32.78 171.83,32.9 ; D124.4 194.63,139.85 C173.1 193.62,139.58 193.4,139.8 v1(193.38,139.8) 193.38,139.82 193.49,139.71 ; v1(181.31,124.35) 181.31,124.34 181.74,123.91 C177.1 183.43,123.91 D128.4 ; D475.4 171.77,125.19 C530.1 172.95,125.46 173.23,125.18 v1(173.23,125.16) 173.25,125.16 173.14,125.27 ; 63.83,241.05 63.97,240.91 v1(63.97,240.94) 63.94,240.94 63.74,241.14 C148.1 62.78,240.87 D100.4 ; 66.6,157.68 66.64,157.72 v1(66.64,157.69) 66.61,157.69 66.5,157.58 C205.1 66.23,156.56 D156.4 ; 32.04,223.21 32.03,223.22 v1(32.03,223.2) 32.05,223.2 32.21,223.04 C245.1 31.94,222 D196.4 ; D214.4 166.09,100.71 C263.1 167.09,100.98 167.34,100.73 v1(167.36,100.73) 167.36,100.71 167.26,100.81 ; D332.4 105.69,175 C383.1 105.96,175.99 105.97,175.99 ; 30.06,253.71 30.14,253.79 v1(30.14,253.77) 30.12,253.77 29.92,253.57 C299.1 29.65,252.48 D250.4 ; D71.4 94.7,266.1 C119.1 94.97,267.35 94.68,267.64 v1(94.58,267.64) 94.58,267.74 94.72,267.6 ; D171.4 56.03,57.09 C220.1 56.3,58.13 56.48,58.31 v1(56.51,58.31) 56.51,58.34 56.43,58.26 ; 145.79,192.26 145.51,191.98 C482.1 144.47,191.71 D430.4 ; 145.79,192.26 v1(145.81,192.26) 145.81,192.28 145.79,192.26 ; D245.4 25.39,215.7 C294.1 25.64,216.64 25.87,216.87 v1(25.9,216.87) 25.9,216.9 25.83,216.83 ; 119.94,97.65 119.85,97.74 v1(119.85,97.72) 119.87,97.72 120.07,97.52 120.1,97.52 120.1,96.48 ; D260.4 49.03,215.55 48.7,215.87 48.7,216.13 48.06,216.77 C309.1 47.78,217.09 v1(47.3,217.57) ; v1(173.18,118.98) 173.18,119.01 172.97,119.22 C505.1 171.91,118.95 D451.4 ; D130.4 176.9,121.53 C179.1 177.17,122.64 v1(176.97,122.84) ; C355.1 101.92,94.5 D305.4 ; D340.4 96.48,167.26 C391.1 96.75,168.24 v1(96.92,168.41) ; 168.84,24.85 168.92,24.93 v1(168.92,24.91) 168.9,24.91 168.72,24.73 C343.1 168.45,23.72 D293.4 ; D203.4 33.2,186.42 C252.1 34.16,186.69 34.38,186.47 v1(34.38,186.42) 34.43,186.42 34.36,186.49 ; 169.48,122.71 169.62,122.57 v1(169.56,122.57) 169.56,122.63 169.33,122.86 C180.1 168.17,122.59 D131.4 ; D447.4 188.31,100.48 C501.1 188.58,101.45 v1(188.89,101.76) ; v1(94.04,149.09) 94.02,149.09 93.55,148.62 C469.1 93.28,147.87 D417.4 ; 211.23,134.18 211.13,134.28 v1(211.13,134.23) 211.18,134.23 211.4,134.01 C168.1 211.13,132.84 D119.4 ; D20.4 136.63,85.61 C67.1 136.9,86.61 v1(136.74,86.77) ; D37.4 62.32,140.05 C84.1 63.33,140.32 63.47,140.46 v1(63.51,140.46) 63.51,140.5 63.4,140.39 ; 118.23,59.16 118.32,59.25 v1(118.32,59.18) 118.25,59.18 118.07,59 C320.1 117.8,57.58 D270.4 ; 136.25,135.14 136.12,135.27 v1(136.12,135.21) 136.18,135.21 136.42,134.97 C510.1 136.15,133.83 D456.4 ; D116.4 223.74,89.84 C165.1 224.01,91 223.82,91.19 v1(223.82,91.25) 223.76,91.25 223.88,91.13 ; D367.4 164.09,34.32 C419.1 164.36,35.31 164.53,35.48 v1(164.56,35.48) 164.56,35.51 164.47,35.42 ; 117.42,266.32 117.44,266.34 v1(117.44,266.33) 117.43,266.33 117.23,266.13 C113.1 116.18,265.86 D66.4 ; D444.4 140.75,84.02 C498.1 141.88,83.61 v1(142.19,83.3) ; 44.94,134.21 45.08,134.07 v1(44.98,134.07) 44.98,134.17 44.83,134.32 C277.1 43.5,134.05 D228.4 ; D102.4 62.78,233.11 C150.1 63.05,234.11 63.26,234.32 v1(63.32,234.32) 63.32,234.38 63.22,234.28 ; D266.4 117.53,38.77 C316.1 117.8,39.81 117.63,39.98 v1(117.58,39.98) 117.58,40.03 117.66,39.95 ; D28.4 59.4,91.13 C75.1 60.35,91.4 60.48,91.53 